# Altium PCB PCB1.PcbDoc
Units mil, origin at the board's own origin, x right, y up, seen from the top; angles counter-clockwise.
Board outline 1830 x 1135 mil, 2 copper layers (Top Layer, Bottom Layer); 41 components, 59 nets, 191 pads, 78 vias.
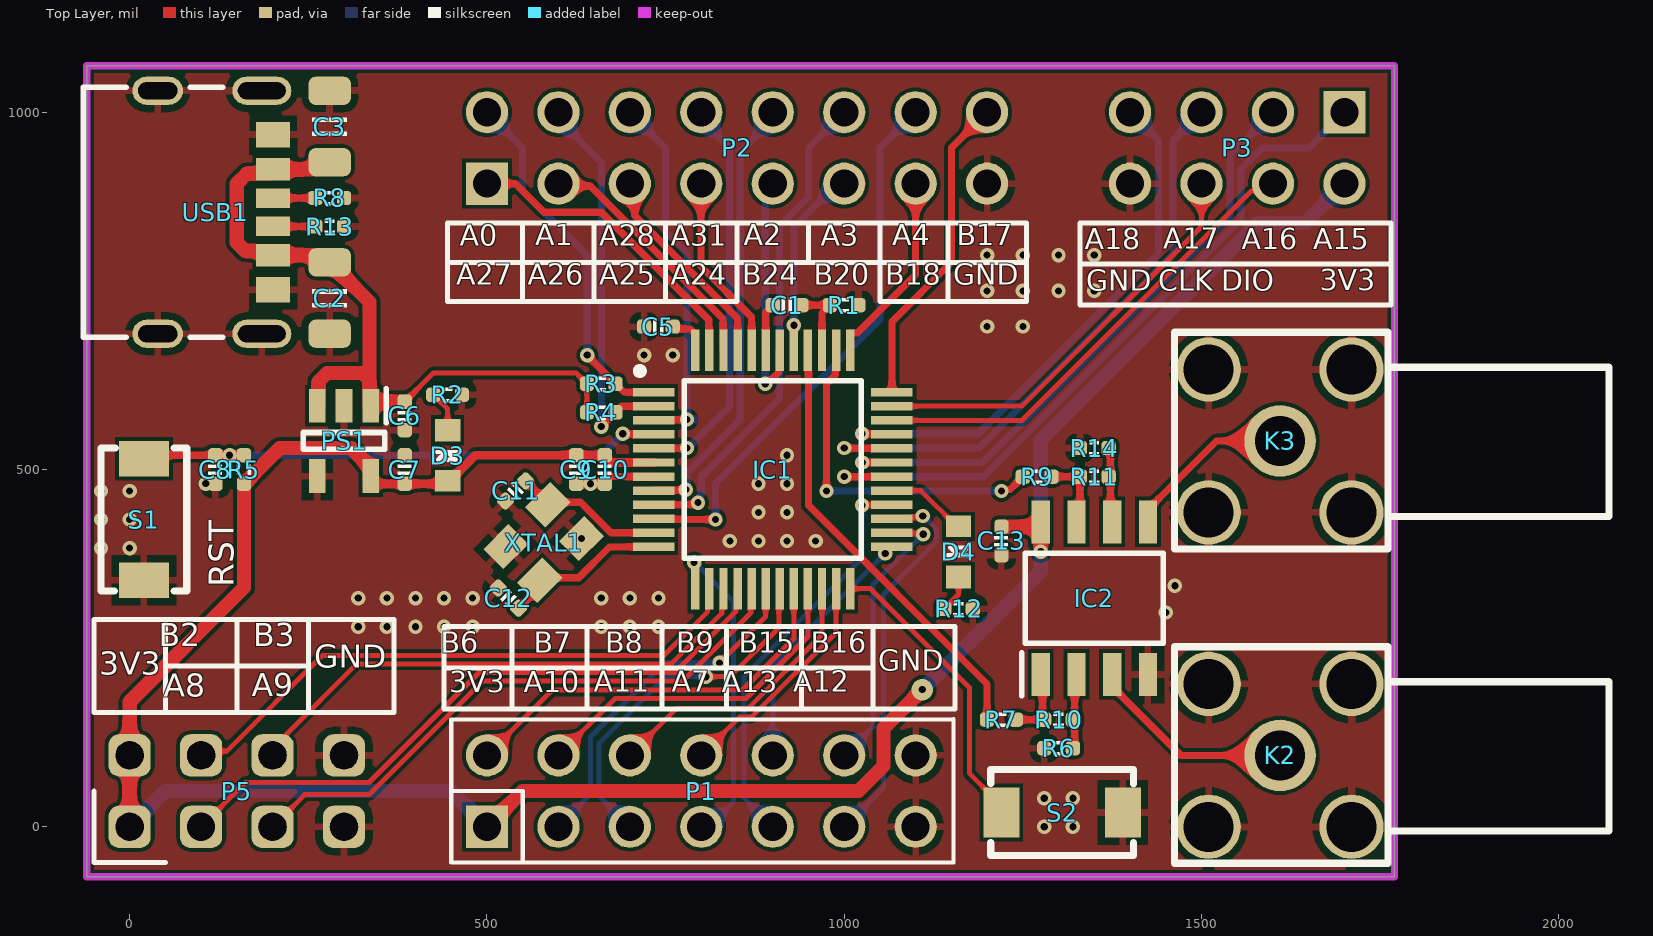
[diagram p0: Top Layer view]
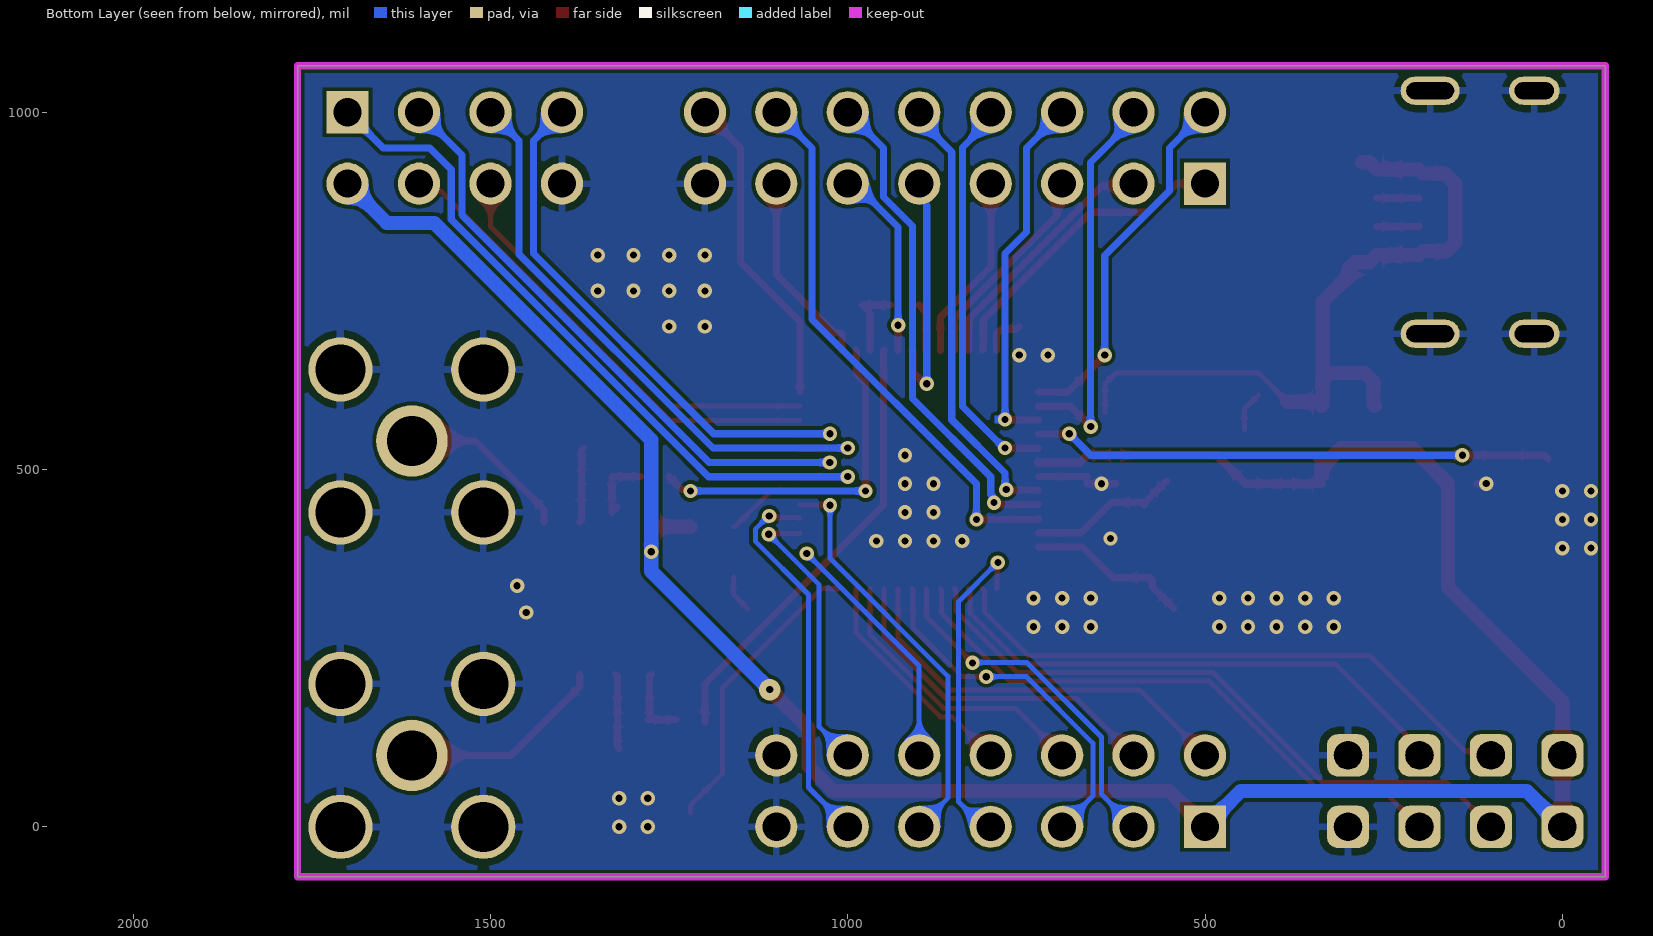
[diagram p1: Bottom Layer view, seen from below]
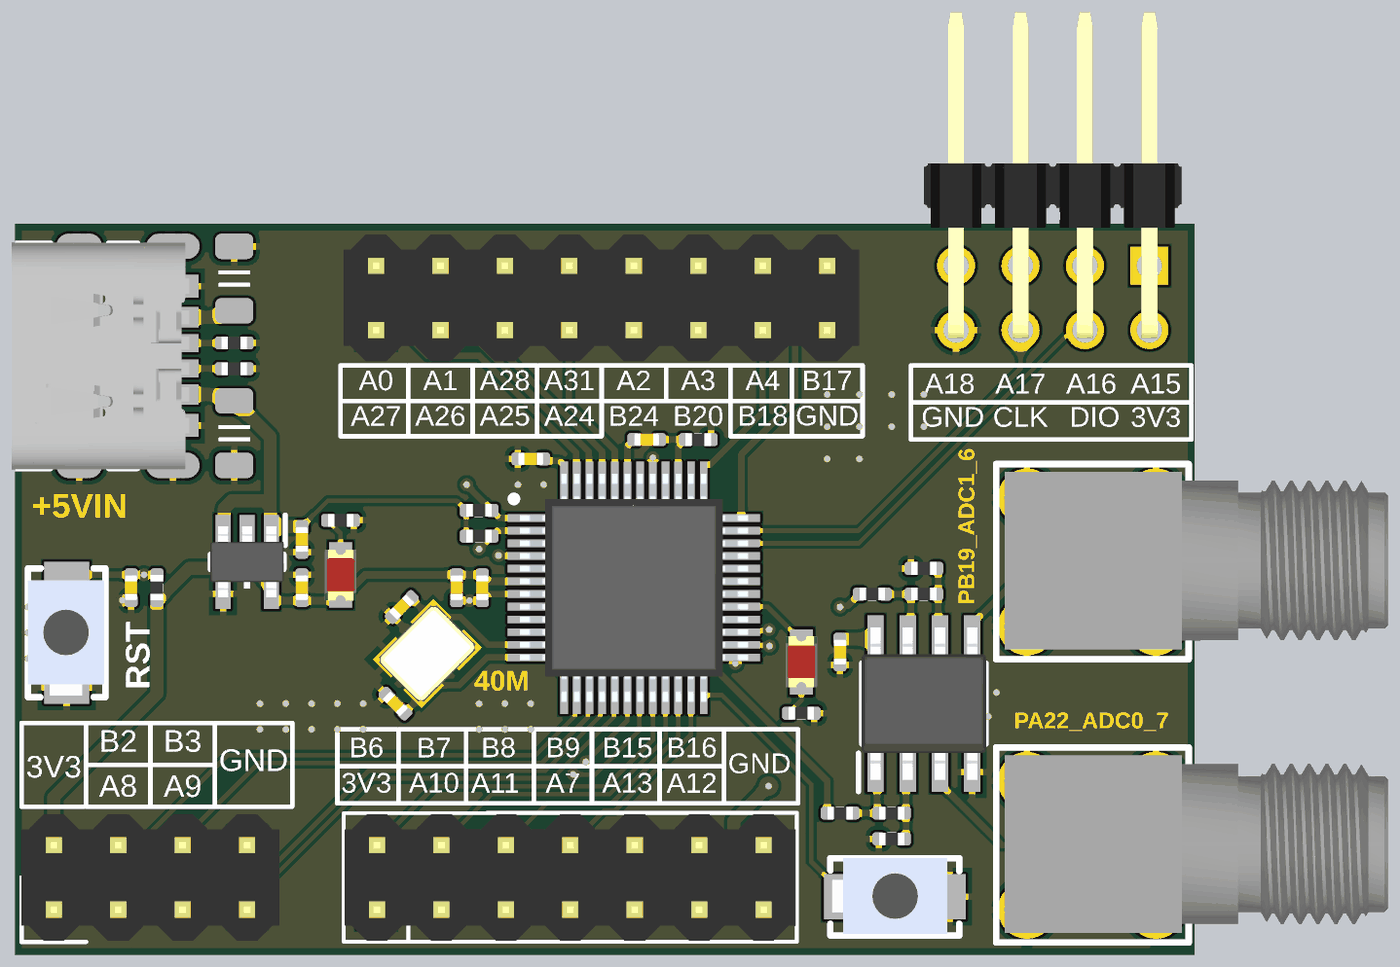
[diagram p2: 3D render of the assembled board from above, using the file's embedded part models]

## Layer stack, top to bottom
Top Solder: solder mask 0.4, Solder Resist, Dk 3.5
Top Layer: signal copper 1.4
Dielectric 1: dielectric 12.6, FR-4, Dk 4.8
Bottom Layer: signal copper 1.4
Bottom Solder: solder mask 0.4, Solder Resist, Dk 3.5

## Board outline
-60,-70 1770,-70 1770,1065 -60,1065

## Design rules (kind name [scope] priority, off if disabled: settings)
Clearance [All] p1: gap=5 ignorepadtopadclearanceinfootprint=TRUE
HoleSize [All] p1: absolutevalues=TRUE maxlimit=99999 minlimit=1 maxpercent=80.000 minpercent=20.000
HoleToHoleClearance [All] p1: gap=0 allowstackedmicrovias=TRUE
MinimumSolderMaskSliver [All] p1: minsoldermaskwidth=0
PlaneConnect [All] p1: pad.planeconnectstyle=Relief pad.reliefexpansion=20 pad.reliefentries=4 pad.reliefconductorwidth=10 pad.reliefairgap=10 via.planeconnectstyle=Direct via.reliefexpansion=20 via.reliefentries=4 via.reliefconductorwidth=10 via.reliefairgap=10
PolygonConnect [All] p1: thpad.connectstyle=Relief thpad.reliefconductorwidth=10 thpad.reliefentries=4 thpad.polygonreliefangle="90 Angle" thpad.airgapwidth=10 smdpad.connectstyle=Relief smdpad.reliefconductorwidth=10 smdpad.reliefentries=4 smdpad.polygonreliefangle="90 Angle" smdpad.airgapwidth=10 via.connectstyle=Direct via.reliefconductorwidth=10 via.reliefentries=4 via.polygonreliefangle="90 Angle" via.airgapwidth=10
RoomDefinition Sheet2 [InComponentClass('Sheet2')] p1: confinementstyle=ConfineIn formatcopy=TRUE lockcomponents=FALSE outline -1900,-3600 6320,-3600 6320,2420 -1900,2420
RoutingVias [All] p1: holewidth=10 width=20 viastyle="Through Hole" minholewidth=1 minwidth=1 maxholewidth=20000 maxwidth=99999
SilkToSilkClearance [All] p1: silktosilkclearance=0
SilkToSolderMaskClearance [IsPad] p1: minsilkscreentomaskgap=0 clearancetoexposedcopper=TRUE
SolderMaskExpansion [All] p1: expansion=4 istentingtop=FALSE
Width [All] p1: maxlimit=30 minlimit=1 preferedwidth=7
24 further rules are at their usual default settings.

## Components (designator, comment, footprint, x,y, rotation, side; value= is the part's Value field where it differs from the comment)
C1 "1uF" CAP_0402 920,730 r0 top value=0.1u
C2 "100uF" 1206-CAP 280,740 r90 top value=0.1u
C3 "100uF" 1206-CAP 280,980 r270 top value=0.1u
C5 "0.47uF" CAP_0402 740,700 r0 top value=0.1u
C6 "1uF" CAP_0402 385,575 r270 top value=0.1u
C7 "1uF" CAP_0402 385,500 r90 top value=0.1u
C8 "10nF" CAP_0402 120,500 r90 top value=0.1u
C9 "10uF" CAP_0402 625,500 r90 top value=0.1u
C10 "0.1uF" CAP_0402 665,500 r90 top value=0.1u
C11 "22pF" CAP_0402 540,470 r225 top value=0.1u
C12 "22pF" CAP_0402 530,320 r315 top value=0.1u
C13 "0.1uF" CAP_0402 1220,400 r270 top value=0.1u
D3 "3.3V" 0603_led 445,519.57 r90 top value=color?
D4 "3.3V" 0603_led 1160,385 r270 top value=color?
IC1 "MSPM0G3507SPTR" QFP50P900X900X160-48N 900,500 r0 top
IC2 "OPA2192IDR" OPA2192IDR 1350,320 r90 top
K2 "SMA" SMA-W 1610,100 r180 top
K3 "SMA" SMA-W 1610,540 r180 top
P1 "Header 7X2" 201S2X7 799.25,49.21 r0 top
P2 "Header 8X2" 201S2X8 500,900 r0 top locked
P3 "Header_4p*2" 201R2X4 1700,1000 r180 top
P5 "Header_4p*2" 201S2X4 0,0 r0 top locked
PS1 "TLV75733PDBVR" SOT95P280X145-5N 300,540 r270 top
R1 "0" RES_0402 1000,730 r180 top value=22R
R2 "5K" RES_0402 445,604.57 r180 top value=22R
R3 "4.7K" RES_0402 660,620 r180 top value=22R
R4 "4.7K" RES_0402 660,580 r180 top value=22R
R5 "47K" RES_0402 160,500 r270 top value=22R
R6 "DNC" RES_0402 1300,110 r180 top value=22R
R7 "10" RES_0402 1220,150 r0 top value=22R
R8 "5K" RES_0402 280,880 r0 top value=22R
R9 "10" RES_0402 1270,490 r0 top value=22R
R10 "0" RES_0402 1300,150 r0 top value=22R
R11 "0" RES_0402 1350,490 r0 top value=22R
R12 "5K" RES_0402 1160,305 r180 top value=22R
R13 "5K" RES_0402 280,840 r0 top value=22R
R14 "DNC" RES_0402 1350,530 r180 top value=22R
S1 "SW-PB" KEY-K2 20,345 r90 top
S2 "SW-PB" KEY-K2 1220,20 r0 top
USB1 "KH-TYPE-C-6P" TYPE-C-SMD_TYPE-C-31-M-16 120,860 r270 top
XTAL1 "40M" 3225-25M 579.5,397.78 r135 top

## Footprints (in the part's own frame and the unit in brackets; to place one, negate y for a bottom-side part, rotate by r counter-clockwise, add the part's x,y. Pads: shape width x height; smd on the part's side, far side on the other; paste and mask are expansions set on the pad)
201R2X4 [mm]
  rect 1.5x1.5 hole 1: 1(0,0)
  round 1.5 hole 1: 2(2.54,0) 3(5.08,0) 4(7.62,0) 5(0,2.54) 6(2.54,2.54) 7(5.08,2.54) 8(7.62,2.54)
  body extent -1.27,-10 8.89,2.86, height 5.08
201S2X4 [mm]
  rrect50% 1.5x1.5 hole 1: 1(0,0) 2(2.54,0) 3(5.08,0) 4(7.62,0) 5(0,2.54) 6(2.54,2.54) 7(5.08,2.54) 8(7.62,2.54)
  silkscreen extent -1.27,-1.27 1.27,1.27, body extent -1.27,-1.23 8.89,3.77, height 8.4
201S2X7 [mm]
  rect 1.5x1.5 hole 1: 1(-7.601,-1.25)
  round 1.5 hole 1: 2(-7.601,1.29) 3(-5.061,-1.25) 4(-5.061,1.29) 5(-2.521,-1.25) 6(-2.521,1.29) 7(0.019,-1.25) 8(0.019,1.29) 9(2.559,-1.25) 10(2.559,1.29) 11(5.099,-1.25) 12(5.099,1.29) 13(7.639,-1.25) 14(7.639,1.29)
  silkscreen extent -8.87,-2.52 8.98,2.57, body extent -8.83,-2.48 8.95,2.52, height 8.4
201S2X8 [mm]
  rect 1.5x1.5 hole 1: 1(0,0)
  round 1.5 hole 1: 2(0,2.54) 3(2.54,0) 4(2.54,2.54) 5(5.08,0) 6(5.08,2.54) 7(7.62,0) 8(7.62,2.54) 9(10.16,0) 10(10.16,2.54) 11(12.7,0) 12(12.7,2.54) 13(15.24,0) 14(15.24,2.54) 15(17.78,0) 16(17.78,2.54)
  body extent -1.27,-1.23 19.05,3.77, height 8.4
0603_led [mm]
  rect 0.762x0.9 smd: 1(-0.9,0)
  rect 0.8x0.9 smd: 2(0.9,0)
  silkscreen extent -0.15,-0.38 0.13,0.38, body extent -1.01,-0.62 1.01,0.63, height 1.1
1206-CAP [mm]
  rrect50% 1x1.5 smd: 1(-1.27,0) 2(1.27,0)
  silkscreen extent -0.3,-0.61 0.3,0.61, body extent -1.5,-0.75 1.5,0.75, height 1.5
3225-25M [mm]
  rect 1.016x1.27 smd paste-0.597 mask+0: 1(-0.85,1.05) 2(-0.85,-1.05) 3(0.85,-1.05) 4(0.85,1.05)
  body extent -1.25,-1.6 1.25,1.6, height 0.6
CAP_0402 [mil]
  rrect50% 20x20 smd: 1(-20,0) 2(20,0)
  silkscreen extent -6,-9 6,9, body extent -20,-10 20,10, height 20
KEY-K2 [mil]
  rect 50x70 smd: 1(0,0) 2(170,0)
  silkscreen extent -15,-60 185,60, body extent -13,-58 183,60, height 79
OPA2192IDR [mm]
  rect 1.525x0.65 smd: 1(-2.712,1.905) 2(-2.712,0.635) 3(-2.712,-0.635) 4(-2.712,-1.905) 5(2.712,-1.905) 6(2.712,-0.635) 7(2.712,0.635) 8(2.712,1.905)
  silkscreen extent -3.47,-2.45 1.6,2.58, body extent -3.01,-2.45 3.01,2.45, height 1.63
QFP50P900X900X160-48N [mm]
  rect 1.475x0.3 smd: 1(-4.238,2.75) 2(-4.238,2.25) 3(-4.238,1.75) 4(-4.238,1.25) 5(-4.238,0.75) 6(-4.238,0.25) 7(-4.238,-0.25) 8(-4.238,-0.75) 9(-4.238,-1.25) 10(-4.238,-1.75) 11(-4.238,-2.25) 12(-4.238,-2.75) 25(4.238,-2.75) 26(4.238,-2.25) 27(4.238,-1.75) 28(4.238,-1.25) 29(4.238,-0.75) 30(4.238,-0.25) 31(4.238,0.25) 32(4.238,0.75) 33(4.238,1.25) 34(4.238,1.75) 35(4.238,2.25) 36(4.238,2.75)
  rect 0.3x1.475 smd: 13(-2.75,-4.238) 14(-2.25,-4.238) 15(-1.75,-4.238) 16(-1.25,-4.238) 17(-0.75,-4.238) 18(-0.25,-4.238) 19(0.25,-4.238) 20(0.75,-4.238) 21(1.25,-4.238) 22(1.75,-4.238) 23(2.25,-4.238) 24(2.75,-4.238) 37(2.75,4.238) 38(2.25,4.238) 39(1.75,4.238) 40(1.25,4.238) 41(0.75,4.238) 42(0.25,4.238) 43(-0.25,4.238) 44(-0.75,4.238) 45(-1.25,4.238) 46(-1.75,4.238) 47(-2.25,4.238) 48(-2.75,4.238)
  silkscreen extent -4.85,-3.15 3.15,3.62, body extent -4.5,-4.5 4.5,4.5, height 1.6
RES_0402 [mil]
  rrect50% 20x20 smd: 1(-20,0) 2(20,0)
  silkscreen extent -7,-10 7,10, body extent -20,-10 20,10, height 14
SMA-W [mil]
  round 100 hole 70: 1(0,0)
  round 90 hole 70: 2(-100,100) 2(-100,-100) 2(100,100) 2(100,-100)
  silkscreen extent -460,-152 148,151, body extent -460,-140 135,136, height 108
SOT95P280X145-5N [mm]
  rect 1.2x0.6 smd: 1(-1.25,0.95) 2(-1.25,0) 3(-1.25,-0.95) 4(1.25,-0.95) 5(1.25,0.95)
  silkscreen extent -1.85,-1.45 0.3,1.5, body extent -1.4,-1.45 1.4,1.45, height 1.2
TYPE-C-SMD_TYPE-C-31-M-16 [mm]
  oval 1x2.1 hole 0.6 slot 1.7 at 90 deg: 1(-4.32,1.65) 2(4.32,1.65)
  oval 1x1.8 hole 0.6 slot 1.4 at 90 deg: 3(-4.32,-2.05) 4(4.32,-2.05)
  rect 0.7x1.2 smd: A5(-0.5,2.05) B5(0.5,2.05)
  rect 0.8x1.2 smd: A9(1.52,2.05) B9(-1.52,2.05)
  rect 0.9x1.2 smd: A12(2.75,2.05) B12(-2.75,2.05)
  silkscreen extent -4.44,-4.7 4.45,0.25, body extent -4.47,-4.71 4.47,2.29, height 3.21

## Part data
C1 C5 C6 C7 C8 C9 C10 C11 C12 C13: library part 电容-0402, "Capacitor"
C2 C3: library part 电容-1206, "Capacitor"
D3 D4: library part LED_0603, "LED", Type=0603
IC1: "Integrated Circuit", Manufacturer_Name="Texas Instruments", Manufacturer_Part_Number=MSPM0G3507SDGS28R, Datasheet Link=https://www.ti.com/lit/ds/symlink/mspm0g3507.pdf, Height=1.6mm
IC2: "Integrated Circuit", Manufacturer_Name="Texas Instruments", Manufacturer_Part_Number=OPA2192IDR/BKN, Datasheet Link=https://www.ti.com/lit/ds/symlink/opa2192.pdf?ts=1622289663619&ref_url=https%253A%252F%252Fwww.ti.com%252Fstore%252Fti%252Fen%252Fp%252Fproduct%252F%253Fp%253DOPA2192IDR, Height=1.75mm
P1: "Header, 7-Pin, Dual row", LatestRevisionDate=17-Jul-2002, LatestRevisionNote="Re-released for DXP Platform.", Publisher="Altium Limited"
P2: "Header, 8-Pin, Dual row", LatestRevisionDate=17-Jul-2002, LatestRevisionNote="Re-released for DXP Platform.", Publisher="Altium Limited"
PS1: "Power Supply", Manufacturer_Name="Texas Instruments", Mouser Part Number=595-TLV75733PDBVR, Arrow Part Number=TLV75733PDBVR, Arrow Price/Stock=https://www.arrow.com/en/products/tlv75733pdbvr/texas-instruments?region=nac, Datasheet Link=http://www.ti.com/lit/gpn/tlv757p, Height=1.45mm, Manufacturer_Part_Number=TLV75733PDBVR, Mouser Price/Stock=https://www.mouser.co.uk/ProductDetail/Texas-Instruments/TLV75733PDBVR?qs=y6ZabgHbY%252BwAAzSntTW34w%3D%3D
R1 R2 R3 R4 R5 R6 R7 R8 R9 R10 R11 R12 R13 R14: library part 电阻-0402, "Resistor"
S1 S2: "Switch", LatestRevisionDate=17-Jul-2002, LatestRevisionNote="Re-released for DXP Platform.", PackageDescription="Switch; 2 Leads", PackageReference=SPST-2, Published=24-Mar-1999, Publisher="Altium Limited"
USB1: library part TYPE-C-6P, BOM_JLCPCB Part Class="Extended Part", BOM_Manufacturer="Shenzhen Kinghelm Elec", BOM_Manufacturer Part=KH-TYPE-C-6P, BOM_Supplier=LCSC, BOM_Supplier Part=C709355, Contributor=LCSC, spicePre=U, spiceSymbolName=KH-TYPE-C-6P
XTAL1: library part NX3225GA-16.000M-STD-CRG-2, "No Description Available", Mfr_Name=NDK, Copyright="Copyright (C) 2022 Ultra Librarian. All rights reserved.", Manufacturer_Part_Number=NX3225GA-16.000M-STD-CRG-2, RefDes=RefDes, Type=DEV

## Via types
v1: diameter 20, hole 10, Top Layer to Bottom Layer, tented both sides, 77 vias
v2: diameter 30, hole 10, Top Layer to Bottom Layer, tented both sides, 1 vias

## Nets (pads, with @x,y where several pads share a name; then routed paths per layer and width w, separated by ;. In a path a pad name is that pad's centre, name@x,y a point inside that pad or via, vN(x,y) a via of type N, cw(c..) or ccw(c..) an arc to the next point about the centre after c; other vN are vias at no path point)
3V3: C7.1 C9.2 C10.2 C13.1 D3.1 IC1.6 IC2.8 P1.1 P3.5 P5.1 P5.5 PS1.5 R5.2 | length 3534.7
  Top Layer w12: PS1.5@337.4,480 C7.1 443.58,480 483.58,520 C9.2 C10.2 675.16,509.84 IC1.6
  Top Layer w20: P5.1 P5.5 0,175 160,335 R5.2 210,530 310,530 337.4,502.6 PS1.5 ; P1.1 550,50 1020,50 1055,85 1055,137.78 v2(1109.13,191.91) ; C13.1 1272.2,420 IC2.8@1275,422.8 ; v1(1275,385) IC2.8@1275,422.8 ; IC2.8 IC2.8@1275,422.8
  Bottom Layer w20: P5.1 50,50 450,50 P1.1 ; v2(1109.13,191.91) 1275,357.78 v1(1275,385) 1275,541.42 1578.58,845 1645,845 P3.5
5V: C2.2 C3.2 C6.1 PS1.1 PS1.3 R3.2 R4.2 USB1.A9 USB1.B9 | length 1081.6
  Top Layer w7: C6.1 425,635 625,635 R3.2 R4.2
  Top Layer w20: PS1.3 264.41,591.02 264.41,623.28 276.13,635 325.69,635 335.59,625.1 ; C3.2 270.16,930 260,919.85 USB1.B9 194.96,914.1 164.1,914.1 150,900 150,817.62 161.72,805.9 194.96,805.9 USB1.A9 260,800.15 270.16,790 C2.2 289.84,790 299.53,780.31 299.53,770.47 335.59,734.41 335.59,625.1 ; C6.1 339.21,595 337.4,593.19 PS1.1 335.59,591.02 335.59,625.1
GND: C2.1 C3.1 C5.1 C6.2 C7.2 C8.1 C9.1 C10.1 C11.2 C12.1 C13.2 IC1.7 IC2.4 K2.2 K3.2 P1.13 P1.14 P2.15 P3.8 P5.4 P5.8 PS1.2 PS1.4 R1.1 R2.1 R6.2 R8.2 R12.1 R13.2 R14.2 S1.1 S2.2 USB1.1 USB1.2 USB1.3 USB1.4 USB1.A12 USB1.B12 XTAL1.2 XTAL1.4 | length 131.9
  Top Layer w10: v1(106.44,480.2) 106.54,480.1 119.9,480.1 C8.1 ; C9.1 v1(645,480) C10.1 665,490.16 IC1.7
  other v1: 1280,0 1320,0 1280,40 1320,40 320,280 360,280 400,280 440,280 480,280 660,280 700,280 740,280 1450,300 320,320 360,320 400,320 440,320 480,320 660,320 700,320 740,320 1462.68,337.32 -40,390 0,390 840,400 880,400 920,400 960,400 632.39,403.35 -40,430 0,430 880,440 920,440 -40,470 0,470 880,480 920,480 920,520 720,660 760,660 1200,700 1250,700 1200,750 1250,750 1300,750 1350,750 1200,800 1250,800 1300,800 1350,800
NetC1_1: C1.1 IC1.43 | length 67.2
  Top Layer w10: IC1.43 890.16,720.16 C1.1
NetC1_2: C1.2 IC1.39 R1.2 | length 107.7
  Top Layer w10: C1.2 975.86,730 R1.2 968.9,718.9 IC1.39
NetC5_2: C5.2 IC1.48 | length 59
  Top Layer w10: C5.2 763.29,696.71 785,696.71 791.73,689.98 IC1.48
NetC8_2: C8.2 IC1.4 R5.1 S1.2 | length 748
  Top Layer w10: S1.2 25,520 C8.2 v1(140,520) R5.1 ; v1(690,550) 690.39,549.61 732.76,549.61 IC1.4
  Bottom Layer w10: v1(140,520) 660,520 v1(690,550)
NetD3_2: D3.2 R2.2 | length 57.9
  Top Layer w7: R2.2 445,584.57 D3.2
NetD4_2: D4.2 R12.2 | length 52.9
  Top Layer w7: R12.2 1160,325 D4.2
NetIC2_1: IC2.1 R7.2 R10.1 | length 105.3
  Top Layer w10: R7.2 R10.1 1277.5,152.5 1277.5,210.73 IC2.1
NetIC2_2: IC2.2 R6.1 R10.2 | length 105.3
  Top Layer w10: R6.1 1322.5,112.5 1322.5,210.73 IC2.2
NetIC2_3: IC2.3 K2.1 | length 292
  Top Layer w10: IC2.3 1375,196 1471,100 K2.1
NetIC2_5: IC2.5 K3.1 | length 242
  Top Layer w10: IC2.5 1425,444 1521,540 K3.1
NetIC2_6: IC2.6 R11.2 R14.1 | length 105.3
  Top Layer w10: R14.1 1372.5,527.5 1372.5,429.27 IC2.6
NetIC2_7: IC2.7 R9.2 R11.1 | length 100.2
  Top Layer w10: R9.2 R11.1 1330,440 IC2.7@1322.8,447.2
NetR8_1: R8.1 USB1.A5 | length 59.4
  Top Layer w10: USB1.A5 200.87,879.84 259.84,879.84 R8.1
NetR13_1: R13.1 USB1.B5 | length 59.4
  Top Layer w10: USB1.B5 200.87,840.16 259.84,840.16 R13.1
PA0_5V: IC1.1 P2.2 R3.1 | length 512.6
  Top Layer w10: v1(640.47,660) 640.47,659.53 691.73,608.27 IC1.1
  Bottom Layer w10: P2.2 550,950 550,890 640.47,799.53 v1(640.47,660)
PA1_5V: IC1.2 P2.4 R4.1 | length 550.2
  Top Layer w10: v1(660,560) 688.58,588.58 IC1.2
  Bottom Layer w10: P2.4 600,990 660.47,929.53 660.47,560.47 v1(660,560)
PA2: IC1.8 P2.10 | length 624.2
  Top Layer w10: IC1.8 733.82,471.15 777.51,471.15 v1(778.18,471.82)
  Bottom Layer w10: v1(778.18,471.82) 780.09,473.73 780.09,495.09 854.53,569.53 854.53,944.53 900,990 P2.10
PA3: IC1.9 P2.12 | length 694.5
  Top Layer w10: IC1.9 789.78,450.79 792.61,453.61 v1(795.31,453.61)
  Bottom Layer w10: v1(795.31,453.61) 797.23,455.53 797.23,462.58 800,465.36 800,490 909.53,599.53 909.53,840.74 950,881.21 950,950 P2.12
PA4: IC1.10 P2.14 | length 773.3
  Top Layer w10: IC1.10 734.06,430.2 759,430.2 759.19,430 v1(820,430)
  Bottom Layer w10: v1(820,430) 820,480 1050,710 1050,950 P2.14
PA5_HFXIN: C11.1 IC1.11 XTAL1.3 | length 213.5
  Top Layer w10: C11.1 585.07,453.22 XTAL1.3 588.6,454.21 631.03,454.21 673.82,411.42 IC1.11
PA6_HFXOUTIN: C12.2 IC1.12 XTAL1.1 | length 230
  Top Layer w10: C12.2 573.93,335.65 XTAL1.1 577.47,348.42 628.42,348.42 671.73,391.73 IC1.12
PA7: IC1.13 P1.7 | length 454.8
  Top Layer w7: v1(790,370) 790.87,369.13 790.87,334.02 IC1.13
  Bottom Layer w7: v1(790,370) 845,315 845,35 810,0 P1.7
PA8_UART1_TX: IC1.16 P5.2 | length 906
  Top Layer w7: P5.2 161.97,61.97 335,61.97 489.03,216 762.97,216 848.38,301.41 848.38,330.74 IC1.16
PA9_UART1_RX: IC1.17 P5.3 | length 827.6
  Top Layer w7: P5.3 245,45 335,45 494,204 774,204 868.92,298.92 868.92,331.59 IC1.17
PA10_UART0_TX: IC1.18 P1.3 | length 498.2
  Top Layer w7: v1(825.58,229.42) 889.96,293.8 889.96,332.96 IC1.18
  Bottom Layer w7: P1.3@600,0.56 645,45.56 645,125.56 749.44,230 825,230 v1(825.58,229.42)
PA11_UART0_RX: IC1.19 P1.5 | length 508.4
  Top Layer w7: v1(806.16,210) 840,210 908.65,278.65 908.65,331.95 IC1.19
  Bottom Layer w7: P1.5 657,43 657,117 750,210 v1(806.16,210)
PA12_TIM: IC1.27 P1.11 | length 541.7
  Top Layer w7: IC1.27 1068.8,433.05 1108.05,433.05 v1(1110,435)
  Bottom Layer w7: P1.11 1055,55 1055,325 1129.01,399.01 1129.01,417.01 1111.02,435 v1(1110,435)
PA13_TIM: IC1.28 P1.9 | length 577.1
  Top Layer w7: v1(1025,450) 1025.39,450.39 1066.46,450.39 IC1.28
  Bottom Layer w7: P1.9 860,40 860,210.74 1025,375.74 v1(1025,450)
PA14_LED: D4.1 IC1.29 | length 113.9
  Top Layer w7: IC1.29 1107.24,470.47 1157.28,420.43 D4.1
PA15_DAC_OUT: IC1.30 P3.1 | length 1019.7
  Top Layer w10: v1(1000,490) 1000.24,489.76 1066.46,489.76 IC1.30
  Bottom Layer w10: v1(1000,490) 1000.24,489.76 1195.06,489.76 1555,849.7 1555,920 1585,950 1650,950 P3.1
PA16_ADC1_1: IC1.31 P3.2 | length 868.9
  Top Layer w10: v1(1025.17,509.76) v1(1025.17,509.76) 1066.81,509.8 IC1.31
  Bottom Layer w10: v1(1025.17,509.76) 1193.85,509.76 1540,855.91 1540,940 P3.2
PA17_ADC1_2: IC1.32 P3.3 | length 854.7
  Top Layer w10: v1(1000,530) 1000.24,529.76 1066.61,529.76 IC1.32
  Bottom Layer w10: v1(1000,530) 1188.79,530 1460,801.21 1460,960 P3.3
PA18_ADC1_3: IC1.33 P3.4 | length 775.9
  Top Layer w10: v1(1025,550) 1025.39,549.61 1066.46,549.61 IC1.33
  Bottom Layer w10: v1(1025,550) 1187.57,550 1440,802.43 1440,960 P3.4
PA22_ADC0_7: IC1.40 R7.1 | length 624.4
  Top Layer w10: IC1.40 950.12,665.94 950.12,449.88 1200,200 R7.1@1200,146.3
PA24_ADC0_3: IC1.44 P2.7 | length 262.8
  Top Layer w10: P2.7 799.39,899.39 799.39,784.25 870.47,713.17 IC1.44
PA25_ADC0_2: IC1.45 P2.5 | length 295.6
  Top Layer w10: P2.5 706.95,893.05 706.95,855.47 850.79,711.64 IC1.45
PA26: IC1.46 P2.3 | length 353
  Top Layer w10: P2.3 603.31,896.69 644.53,896.69 830.33,710.89 830.33,667.63 IC1.46
PA27: IC1.47 P2.1 | length 432.4
  Top Layer w10: P2.1 540,900 580,860 660,860 810.51,709.49 810.51,667.76 IC1.47
PA28: IC1.3 P2.6 | length 509.8
  Top Layer w10: IC1.3 733.7,569.45 779.45,569.45 v1(780,570)
  Bottom Layer w10: P2.6@700.43,999.57 750,950 750,832.34 780,802.34 v1(780,570)
PA31: IC1.5 P2.8 | length 558.8
  Top Layer w10: IC1.5 733.39,529.76 779.76,529.76 v1(780,530)
  Bottom Layer w10: v1(780,530) 781.21,530 839.53,588.31 839.53,950.47 800,990 P2.8
PB2_UART3_TX: IC1.14 P5.6 | length 825.4
  Top Layer w7: P5.6 105.93,105.93 135.93,105.93 270,240 747.93,240 809.01,301.09 809.01,330.74 IC1.14
PB3_UART3_RX: IC1.15 P5.7 | length 752.3
  Top Layer w7: P5.7 219.07,119.07 219.07,129.07 318,228 758,228 828.7,298.7 828.7,330.74 IC1.15
PB6_SPI_CS: IC1.20 P1.2 | length 562
  Top Layer w7: P1.2@509.96,100.79 509.96,109.96 591.5,191.5 857.56,191.5 929.53,263.47 IC1.20
PB7_SPI_POCI: IC1.21 P1.4 | length 485
  Top Layer w7: P1.4 679.5,179.5 862.53,179.5 949.21,266.18 IC1.21
PB8_SPI_PICO: IC1.22 P1.6 | length 403.1
  Top Layer w7: P1.6 765.79,165.79 865.79,165.79 968.9,268.9 IC1.22
PB9_SPI_CLK: IC1.23 P1.8 | length 321.2
  Top Layer w7: P1.8 853.79,153.79 870.76,153.79 988.58,271.61 IC1.23
PB15: IC1.25 P1.10 | length 347.7
  Bottom Layer w7: P1.10 900,225 v1(1057.5,382.5)
PB16: IC1.26 P1.12 | length 399.6
  Top Layer w7: IC1.26 1067.89,410.38 1109.47,410.38 v1(1110.51,409.35)
  Bottom Layer w7: P1.12 1040,140 1040,338.84 v1(1110.51,409.35)
PB17: IC1.36 P2.16 | length 446.9
  Top Layer w10: IC1.36 1066.85,706.85 1150.31,790.31 1150.31,950.31 P2.16
PB18_ADC1_5: IC1.37 P2.13 | length 276.4
  Top Layer w10: IC1.37 1008.27,689.98 1009.17,690.89 1018.16,690.89 1100,772.72 P2.13
PB19_ADC1_6: IC1.38 R9.1 | length 485.7
  Top Layer w10: v1(975.1,470) 975,470.1 975,620 987.68,632.68 987.68,665.94 IC1.38 ; v1(1220,470) 1221.91,471.91 1231.91,471.91 R9.1
  Bottom Layer w10: v1(975.1,470) v1(1220,470)
PB20_PWM: IC1.41 P2.11 | length 268.2
  Top Layer w10: IC1.41 v1(929.53,701.81)
  Bottom Layer w10: v1(929.53,701.81) 929.53,839.53 990,900 P2.11
PB24_ADC0_5: IC1.42 P2.9 | length 341.3
  Top Layer w10: v1(889.53,620) 891.44,621.91 894.3,621.91 908.94,636.55 908.94,665.94 IC1.42
  Bottom Layer w10: v1(889.53,620) 889.53,869.61 890.61,870.7 890.61,890.61 P2.9
SWCLK: IC1.35 P3.7 | length 597.3
  Top Layer w7: IC1.35 1248.58,588.58 1500,840 P3.7
SWDIO: IC1.34 P3.6 | length 670.3
  Top Layer w7: IC1.34 1248.9,568.9 1570.04,890.04 1590.04,890.04 P3.6
USER_Button1: IC1.24 S2.1 | length 417.6
  Top Layer w7: IC1.24 1036.85,333.15 1175,195 1175,75 1220,30 S2.1

## Polygon pours and split planes (outlines as drawn)
GND on Top Layer "NONET_L-01_P-001" (solid, remove dead copper, pour order 0): -100,1100 1800,1100 1800,-100 -100,-100
GND on Bottom Layer "NONET_L-01_P-001" (solid, remove dead copper, pour order 1): -100,1100 1800,1100 1800,-100 -100,-100

## Keep-outs
Keep-Out Layer:
  the board outline again, w10

## Silkscreen, mask and mechanical layers (free items; w line width, h text height)
Top Overlay:
  lines w7: 50,225 250,225 ; 50,290 50,160 150,160 150,290 250,290 250,160 ; 440,222.5 1040,222.5 1040,280 1040,165 ; 535,280 535,165 640,165 640,280 745,280 745,165 835,165 835,280 940,280 940,165 ; 550,845 550,735 650,735 650,845 750,845 750,735 850,735 ; 950,790 950,845 850,845 850,735 ; 1145,735 1145,845 1050,845 1050,735 1255,735 1255,790 ; 1330,787.5 1765,787.5 ; 445,790 445,735 850,735 ; 445,790 445,845 1255,845 1255,790 ; 445,790 1255,790 ; -50,160 370,160 370,290 -50,290 -50,160 ; 440,165 1155,165 1155,280 440,280 440,165 ; 1330,730 1765,730 1765,845 1330,845 1330,730
  text "A0" at 462.06,803.67 h50
  text "A1" at 567.45,803.93 h50
  text "A28" at 657.44,803.67 h50
  text "A31" at 757.44,803.66 h50
  text "A2" at 859.54,803.93 h50
  text "A3" at 967.33,803.66 h50
  text "A4" at 1066.98,803.99 h50
  text "B17" at 1157.43,803.93 h50
  text "A18" at 1336.68,798.64 h50
  text "A17" at 1446.67,798.93 h50
  text "A16" at 1556.48,798.64 h50
  text "A15" at 1656.35,798.64 h50
  text "A27" at 457.43,748.93 h50
  text "A26" at 557.27,748.67 h50
  text "A25" at 657.18,748.67 h50
  text "A24" at 757.05,748.93 h50
  text "B24" at 857.05,748.93 h50
  text "B20" at 957.05,748.67 h50
  text "B18" at 1057.44,748.67 h50
  text "GND" at 1152.69,748.45 h50
  text "3V3" at 1665.19,740.72 h50
  text "GND" at 1338.99,740.47 h50
  text "CLK" at 1439.67,740.47 h50
  text "DIO" at 1527.64,740.47 h50
  text "RST" at 157.5,335 h60 r90
  text "B2" at 40.55,242.05 h55
  text "B3" at 172.87,242.05 h55
  text "B6" at 435.3,233.67 h50
  text "B7" at 565.29,233.99 h50
  text "B8" at 665.26,233.67 h50
  text "B9" at 765.26,233.67 h50
  text "B15" at 852.73,233.67 h50
  text "B16" at 952.85,233.67 h50
  text "GND" at 258.05,211.83 h55
  text "GND" at 1047.69,208.45 h50
  text "3V3" at -42.54,202.05 h55
  text "3V3" at 447.16,178.66 h50
  text "A10" at 551.26,178.67 h50
  text "A11" at 649.29,178.93 h50
  text "A7" at 758.84,178.99 h50
  text "A13" at 828.7,178.66 h50
  text "A12" at 928.7,178.93 h50
  text "A8" at 48.05,171.83 h55
  text "A9" at 171.03,172.07 h55
Top Solder:
  text "+5VIN" at -40,595 h60
  text "PB19_ADC1_6" at 1445,470 h40 r90
  text "40M" at 625,330 h50
  text "PA22_ADC0_7" at 1485,265 h40
Mechanical 1:
  the board outline again, w10